# Altium PCB Pleiades_Frouf.PcbDoc (part 9 of 12) (continued)
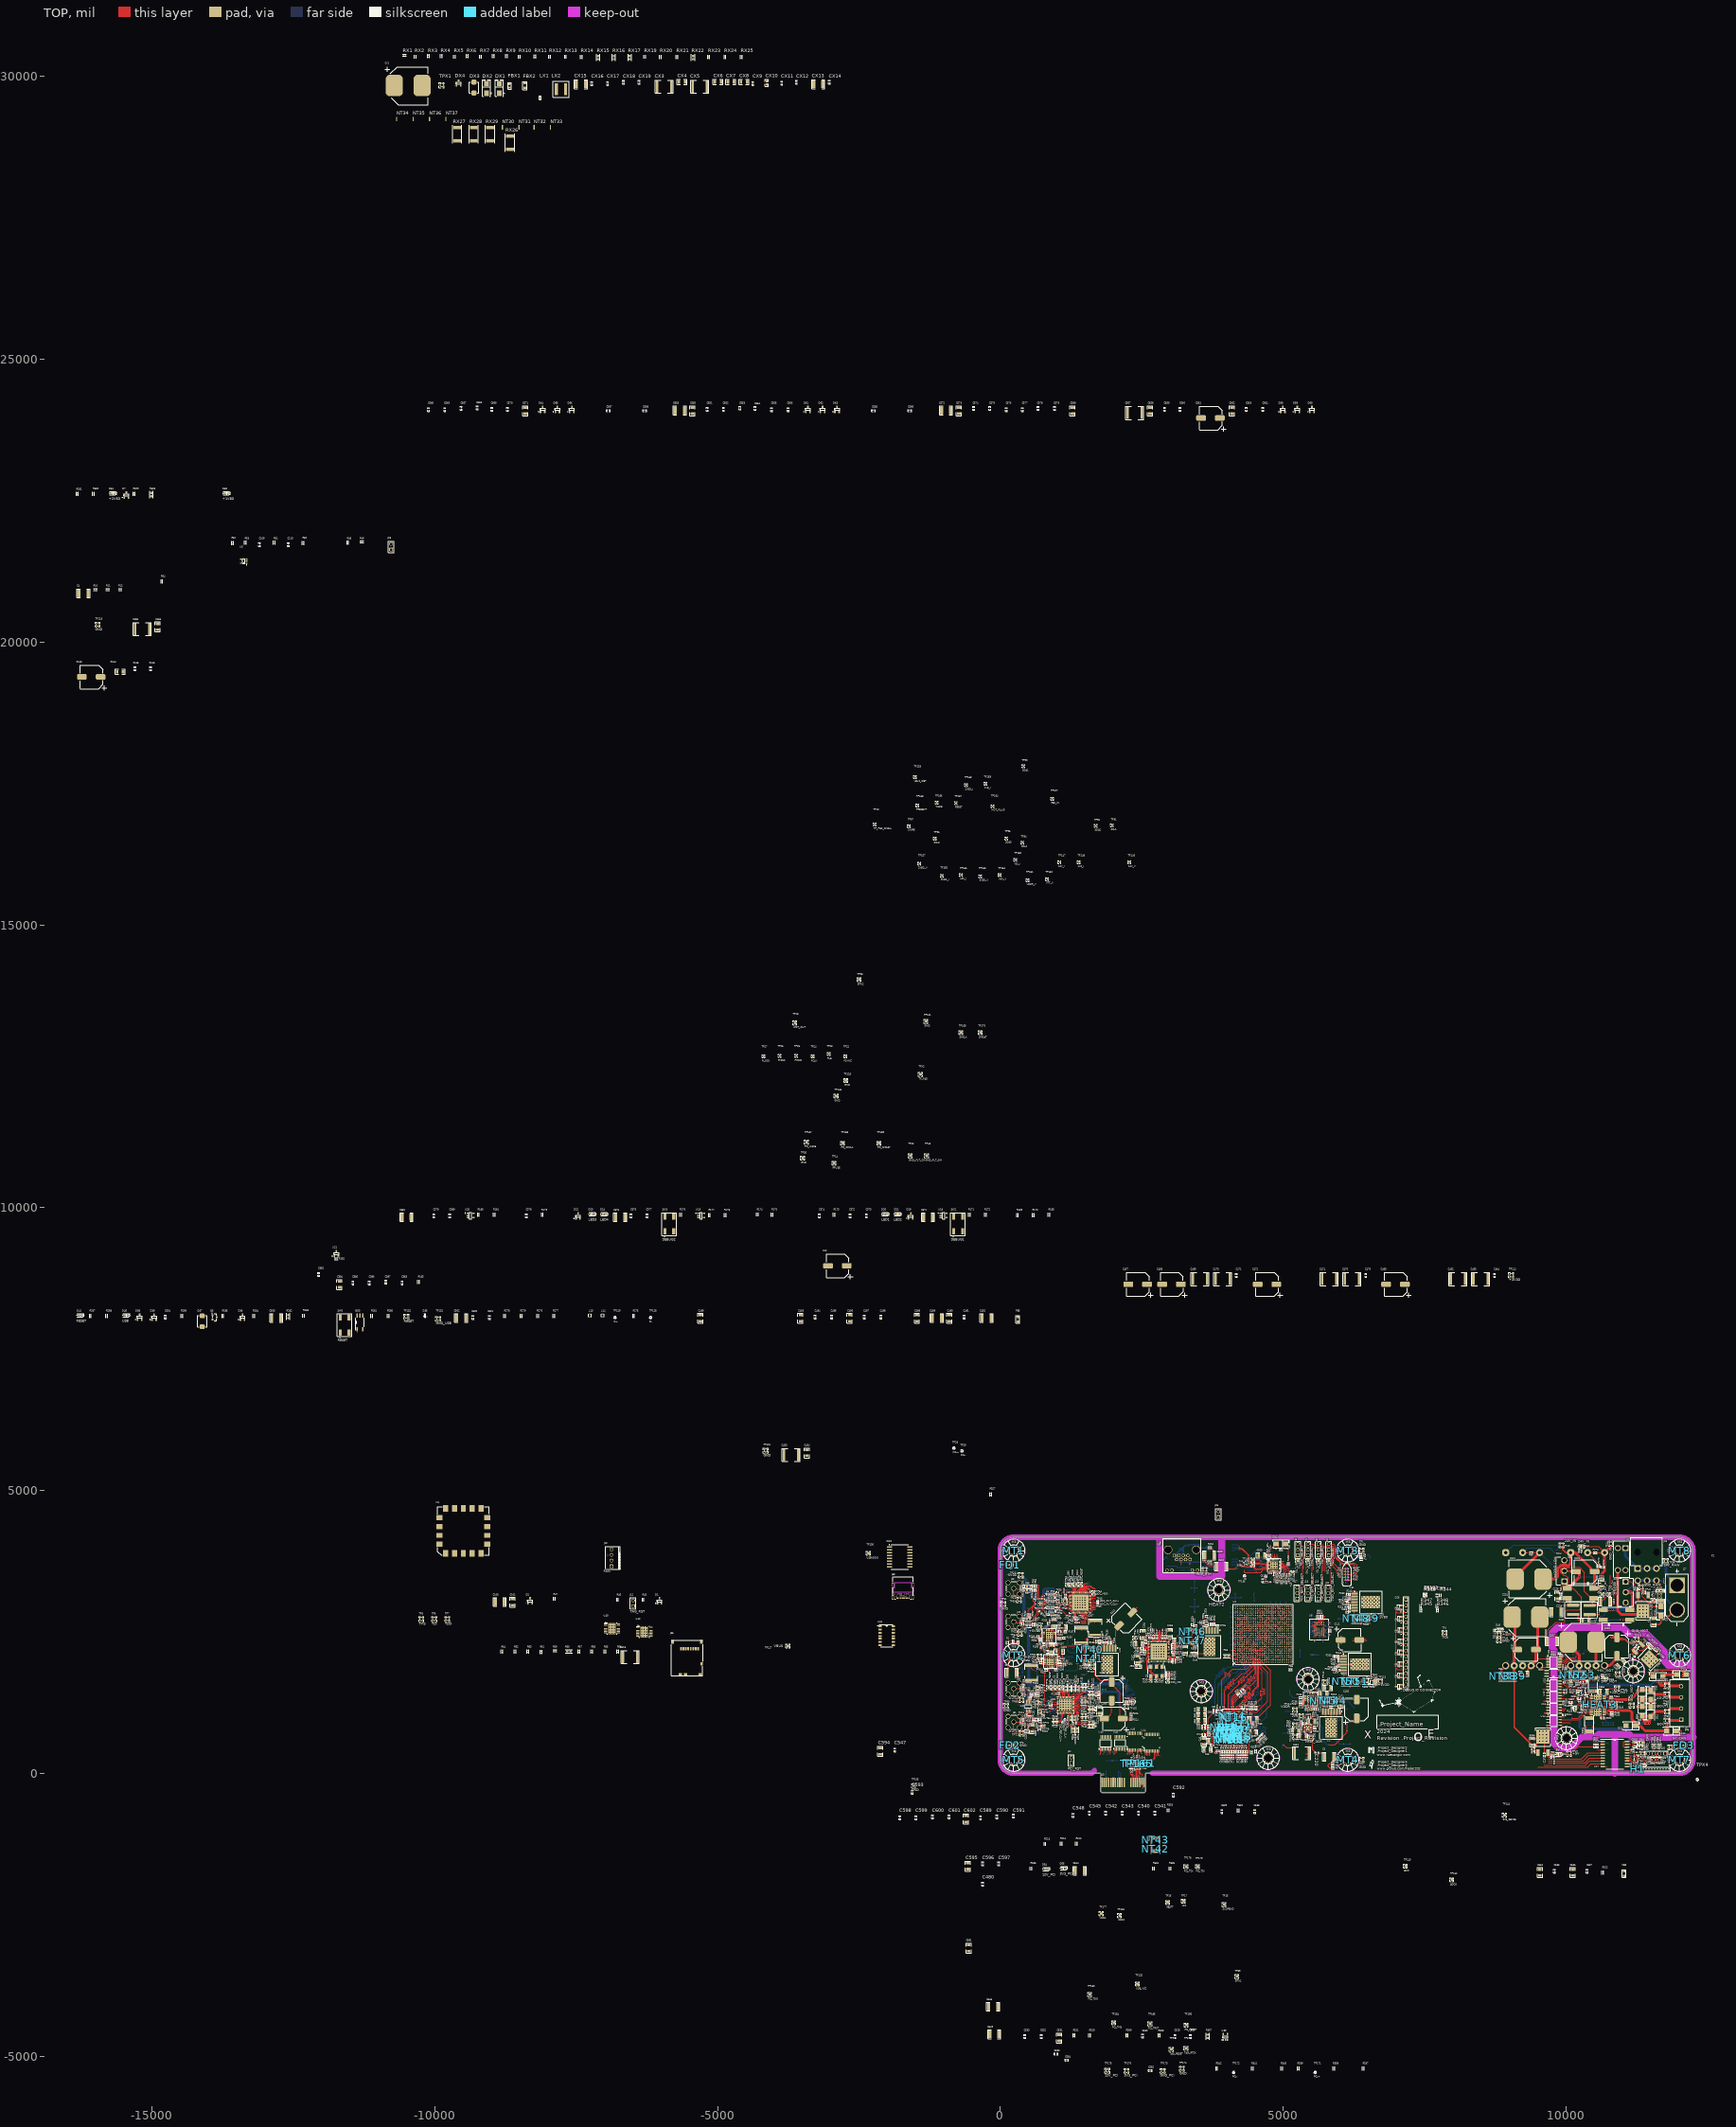
[diagram p0: TOP view]
## Nets (pads, with @x,y where several pads share a name; then routed paths per layer and width w, separated by ;. In a path a pad name is that pad's centre, name@x,y a point inside that pad or via, vN(x,y) a via of type N, cw(c..) or ccw(c..) an arc to the next point about the centre after c; other vN are vias at no path point) (continued)
  TOP w10: C159.2@2397.8,2278.49 2397.8,2268.49 2457.12,2209.17 C189.2@2488.64,2209.17 ; C162.2@2420.8,2066.37 2462.16,2066.37 v1(2487.5,2091.71) v1@2488.58,2090.63 ; v1(2457.12,2000.18) 2469.59,2000.18 C182.2@2487.09,2017.68 ; C184.2@2520.44,2511.04 2530.83,2500.64 v1(2591.68,2500.64) ; C187.2@2576,2347.67 v1(2613.59,2385.26) 2621.54,2393.21 2631.66,2393.21 R71.1@2636.04,2397.59 ; U4.36@2625,2240.31 U4.PAD@2712.6,2240.31 ; Y1.3@2662,1880.35 2662,1828 v1(2685.01,1805) ; R72.2@2674.22,2550.93 2710.6,2514.56 v1(2710.6,2474.57) 2710.6,2434.59 C168.2@2712.6,2432.59 ; C167.2@2771.65,2432.59 2771.65,2470.62 v1(2772.57,2471.54) ; C166.2@2869.6,2432.59 2870.08,2433.07 v1(2870.08,2467.76) ; C169.2@2929.08,2432.59 v1(2929.08,2467.76) 2989.32,2528 C163.2@2999.32,2528 ; C158.2@2980.49,1697.68 C156.2@2980.49,1780 3005.64,1780 3011.64,1786.01 v1(3012.19,1786) ; C170.2@3082.5,2141.89 3082.85,2142.24 v1(3082.85,2171.49) 3082.85,2200.74 C171.2@3083.2,2201.09 3082.85,2201.44 C192.2@3082.85,2240.62 ; C186.2@3090.7,1968.37 3090.9,1968.57 3090.9,2006.98 C190.2@3091.1,2007.18 3114.14,2007.18 3120,2001.32 ; v1(3120,1975.55) 3120,2001.32 ; R74.1@3157.5,2046.98 3120,2009.48 3120,2001.32 ; C183.2@3193,2347.67 3193,2343.13 3176.04,2326.17 3155.98,2326.17 3109.5,2279.69 C191.2@3082.5,2279.69 C192.2@3082.5,2240.97 C192.2@3082.85,2240.62 ; C181.2@3265,2233 3090.47,2233 C192.2@3082.85,2240.62 ; v1(4535.08,2530) 4535.62,2530 4549.88,2515.75 U2.L15@4551.18,2515.75 ; v1(5814.38,2601.15) 5829.23,2586.29 R76.2@5829.23,2538.63 ; v1(7087.17,2930) 7088.27,2928.9 D25.1@7088.27,2893 ; v1(7088.27,1730) 7090.17,1728.1 D31.1@7090.17,1693 7135.34,1693 7159.28,1669.06 J37.15@7174.17,1669.06 ; v1(7088.27,2135) 7090.17,2133.1 D29.1@7090.17,2098 7135.93,2098 7164.88,2069.06 J37.11@7174.17,2069.06 ; v1@7089.3,2329.93 v1(7089.64,2329.59) 7089.98,2329.24 D28.1@7089.98,2292.93 7095.98,2292.93 7104.98,2283.93 7104.98,2277.93 7113.86,2269.06 J37.9@7174.17,2269.06 ; v1(7089.3,2730) 7090.17,2729.13 D26.1@7090.17,2693 7096.17,2693 7120.11,2669.06 J37.5@7174.17,2669.06 ; D32.1@7089.8,1493 v1(7089.8,1530) ; D30.1@7089.98,1893 v1(7089.98,1929.82) v1@7090.17,1930 ; v1(7089.98,2530) 7090.17,2529.82 D27.1@7090.17,2493 7096.17,2493 7120.11,2469.06 J37.7@7174.17,2469.06 ; U6.5@9385.87,1901.1 U6.4@9535.87,1901.1 ; C235.2@9440,437.5 9485,482.5 9485,530.13 9520,565.13 v5(9535,565.13) ; 9470,2024.64 U33.2@9681.77,2024.64 ; ISO1.3@9660,1815 9632.5,1815 9604.48,1843.02 9593.95,1843.02 U6.4@9535.87,1901.1 ; U33.8@9681.77,1874.64 9593.44,1874.64 9566.98,1901.1 U6.4@9535.87,1901.1 ; C368.2@10512.73,505.13 C370.2@10557.23,505.13 10559.2,507.1 10572.71,507.1 10580.13,514.52 v1(10592.92,514.52) U17.2@10650.92,514.52 10650.92,557.02 U17.1@10643.42,564.52 ; v1(10592.92,564.52) U17.1@10643.42,564.52 ; U17.1@10650.92,564.52 U17.1@10643.42,564.52 ; U17.10@10651.42,114.52 10728.3,114.52 v1(10728.93,115.15) v1@10729.57,115.78 ; 10790,3500.73 10790,3285.38 10854.57,3220.82 v1(10854.57,3085) ; v1(10855,3040.04) v1@10854.57,3040.04 ; C219.2@10777.4,3040.04 v1@10854.57,3040.04 ; C219.2@10777.4,3040.04 10777.4,3010.88 10799.76,2988.52 v1(10854.57,2988.52) v1@10854.57,3040.04 ; C219.2@10777.4,3040.04 10777.4,3062.64 10799.76,3085 v1(10854.57,3085) ; v1@10854.57,3040.04 v1(10854.57,3085)
  TOP w12: C296.2@1592.65,1267.33 v1@1592.65,1310.33 ; C305.2@1695.43,1415.63 v1(1695.43,1458.13) ; TP1.1@6385.83,3937.01 6390.98,3931.85 R6.2@6390.98,3868.63 ; U7.3@9595,650.13 v5(9595,625.13) v5(9595,565.13) 9625,535.13 C237.2@9625,347.5 ; C236.2@9782.5,284.98 9887.36,284.98 9902,299.63 D5.2@9902,333.46 ; D5.2@9903.54,335 9962.72,335 v1(9963.71,334)
  TOP w20: J31.4@336.22,805.51 354.25,805.51 374.83,784.93 379.31,784.93 436.23,728.01 C426.2@452.41,728.01 ; C426.2@454.9,725.52 C427.2@491.48,725.52 550.39,725.52 C425.2@562.39,737.52 562.39,773.45 v1(565.9,776.97) v1(633.25,776.97) R122.2@700.6,776.97 ; v1(1109.94,2569.76) C398.2@1143.7,2569.76 ; v1(1369.79,2523.82) 1369.79,2553.88 1382.19,2566.28 C408.2@1434.6,2566.28 ; v1(1440.6,2524.85) 1440.6,2560.28 C408.2@1434.6,2566.28 ; v1(1513.35,2524.85) 1513.35,2553.88 1500.94,2566.28 C408.2@1434.6,2566.28 ; v1(1595.6,2660.69) 1595.6,2686.45 1608,2698.85 C407.2@1681.14,2698.85 ; C299.2@1597.99,1526.78 v1(1597.99,1562.69) 1599.97,1560.7 C422.2@1639.29,1560.7 ; v1(1681.14,2660.69) C407.2@1681.14,2698.85 ; C297.2@1687.83,1156.79 v1(1687.83,1192.87) ; v1(1695.43,1458.13) 1713.06,1458.13 1727.63,1443.57 C418.2@1737.6,1443.57 ; C421.2@1754.12,1059.22 1756.66,1059.22 1768.66,1047.22 1768.66,1005.2 1787.53,986.33 1833.51,986.33 1845.72,998.53 1917.12,998.53 v1(1928.31,1009.71) v1(1970.09,1051.5) v1(1970.09,1109.97) v1(1970.09,1157.5) C406.2@1970.09,1282.85 ; v1(1766.66,2660.69) 1766.66,2686.45 1754.25,2698.85 C407.2@1681.14,2698.85 ; U22.4@1887.83,2209.78 v1(1887.83,2289.68) 1887.83,2301.63 ; C412.2@2333.85,2843.85 v1(2422.09,2932.09)
  TOP w25: U27.4@5850.46,1092.08 v2(5850.46,924.48) v2(5880.46,954.48) v2(5910.46,924.48) ; R257.2@5981.33,1917.46 5986.06,1922.19 U32.4@6071.43,1922.19 v2(6239.03,1922.19) v2(6299.03,1922.19) v2(6359.03,1922.19) ; TP46.1@8820,2355 v1(8900,2355) ; C233.2@9313,1765 9322.5,1774.5 9322.5,1823.05 9385.87,1886.41 U6.5@9385.87,1901.1 ; C234.2@9405,608.57 9518.45,608.57 v5(9535,625.13) ; C232.2@9470,2187.86 C232.2@9498.05,2215.91 ; C231.2@9498.05,2717.18 C231.2@9540.87,2760 9610.41,2829.54 9734,2829.54 9749,2844.54 C228.1@9749,2850 ; 9593.44,1481.99 U15.4@9682.47,1481.99 ; 9610,1276.41 9612.01,1274.41 U12.4@9682.47,1274.41 ; 9612.45,1064 9612.54,1064.09 U16.4@9683.01,1064.09 ; v5(9655,745.13) 9666.2,745.13 9683.7,762.63 U14.4@9683.7,850 ; D5.2@9902,333.46 D5.2@9903.54,335
  TOP w30: v4(6234.58,2354) v4(6476.79,2354)
  TOP w50: U6.5@9385.87,1901.1 9470,1985.24 9470,2024.64 C232.2@9470,2187.86 ; C232.2@9498.05,2215.91 C231.2@9498.05,2717.18
  BOT w6: J30.5@336.22,1596.06 336.22,1703.65 v1(347.57,1715) 379.13,1715 398,1733.87 C393.2@398,1790 ; v1(347.57,1790) C393.2@398,1790 ; v1(347.57,1865) 379.13,1865 398,1846.13 C393.2@398,1790 ; v1(429.41,1063.56) C339.2@429.41,1089.08 ; C341.2@477.41,1205 491.48,1190.93 491.48,1187.88 496.85,1182.51 v1(496.85,1180.88) 495.71,1179.73 492.26,1179.73 C340.2@477.41,1164.88 478.16,1164.13 511.14,1164.13 v1(511.89,1163.38) ; C341.2@485.11,1198.38 v1(514.63,1198.38) C309.2@544.14,1198.38 ; C266.2@485.6,3125.05 495.6,3125.05 530.6,3090.05 531.75,3091.2 538.35,3091.2 C267.2@556.67,3109.51 557.61,3110.46 598.88,3110.46 C252.2@599.82,3111.4 C246.2@599.82,3065.26 613.02,3078.46 C270.2@641.24,3078.46 646.04,3078.46 646.04,3073.66 658.74,3060.96 C256.2@681.38,3060.96 C255.2@724.68,3060.96 ; v1(489.64,2912.05) 495.75,2905.94 508.02,2905.94 C261.2@513.79,2900.18 ; C259.2@579.49,2783.05 596.95,2800.5 596.95,2823.55 599.82,2826.42 v1(599.82,2828.05) 599.82,2829.67 595.52,2833.97 C244.2@595.52,2861.02 ; C247.2@592.29,2943.68 592.29,2943.51 607.98,2927.82 v1(607.98,2927.65) ; C310.2@605.51,1063.56 v1(605.51,1091.57) C308.2@605.51,1119.58 ; v1@612.63,2930.68 C262.2@637.02,2930.68 650.02,2943.68 C265.2@678.19,2943.68 ; v1(619.11,1227) 618.79,1227 601.53,1244.25 v1(601.21,1244.25) 601.21,1287.59 604.56,1290.95 607.61,1290.95 611.7,1286.86 C307.2@619.11,1286.86 ; C249.2@641.33,2980.13 641.73,2980.13 C265.2@678.19,2943.68 ; 713.1,2139.36 713.1,2166.29 732.27,2185.47 839.28,2185.47 v1(878.81,2225) ; R208.2@797.86,1927.84 825.89,1927.84 834.38,1919.34 R204.2@836.01,1919.34 836.01,1920.96 v6@845.25,1930.2 ; C250.2@827,3195 827,3185 792,3150 793.15,3148.85 793.15,3140.1 C251.2@812.24,3121.01 809.87,3118.64 v1(809.87,3099.74) 809.87,3080.83 C253.2@807.5,3078.46 807.5,3078.62 791.8,3094.32 791.8,3094.48 790.66,3093.33 781.16,3093.33 766.29,3078.46 C269.2@766.24,3078.46 742.18,3078.46 C255.2@724.68,3060.96 ; R200.2@913.27,1801.5 943.48,1801.5 v1(946.98,1805) ; R206.2@913.27,2033.33 913.27,2032.75 927.05,2018.97 v6(927.05,2018.39) ; C243.2@929,2830.17 911.54,2847.62 896.84,2847.62 895,2849.46 v1(880,2849.46) C260.2@852.5,2849.46 C268.2@852.5,2896.02 C245.2@812.24,2896.02 C254.2@812.24,2939.37 811.84,2938.98 770.15,2938.98 C263.2@767.99,2941.13 ; C318.2@960,1071.58 v1@960,1037.42 ; v1@988.63,1337.04 989.55,1337.95 1009.71,1337.95 v1(1010.62,1337.04) 1022.85,1337.04 ; v1(988.92,1338.86) 987.3,1338.86 979.82,1346.34 C315.2@920,1346.34 v1(888.31,1346.34) 856.63,1346.34 v1(847.33,1337.04) C312.2@847.33,1303.14 847.33,1264.52 854,1257.85 886.5,1257.85 859.28,1257.82 v1(826.8,1225.35) 794.33,1192.87 C311.2@794.33,1182.87 794.33,1172.87 v1(827.2,1140) 860.07,1107.13 C314.2@886.52,1107.13 886.52,1042.9 895.52,1033.91 C317.2@921.52,1033.91 956.49,1033.91 v1@960,1037.42 ; C335.2@1037.63,1396.06 1032.19,1390.62 1032.19,1377.06 1023.13,1368 1023.13,1337.33 1022.85,1337.04 ; C285.2@1048.4,2534.28 1048.4,2550.89 C285.2@1067.28,2569.76 ; C325.2@1050.39,1105.66 1051.87,1107.13 1051.87,1157.5 1053.35,1158.98 ; v3(1068.54,1164.88) 1065.93,1162.26 1056.63,1162.26 1053.35,1158.98 ; v1(1100.7,3376.83) 1124.05,3376.83 C287.2@1139.94,3392.72 1122.66,3410 v1(1103.56,3410) ; v3(1111.85,1294.8) 1112.18,1295.13 1112.18,1309.72 ; C337.2@1112.5,1022.31 v1(1112.5,984.6) ; C328.2@1112.5,1361.6 1112.18,1361.28 1112.18,1309.72 ; v1(1131.27,1043.79) 1131.27,1043.16 1125.22,1037.11 1125.22,1036.11 1113.59,1024.48 1115.76,1022.31 C336.2@1151.1,1022.31 ; v1(1161.27,910.63) 1161.27,911.67 1151.19,921.75 C330.2@1151.19,941.45 C332.2@1151.19,982.09 1116.63,982.09 1114.12,984.6 v1(1112.5,984.6) ; v3(1198.46,1121.57) 1210.07,1109.97 1220.46,1109.97 C327.2@1224.06,1106.38 ; C289.2@1198.62,3303.18 1197.86,3302.41 v1(1197.86,3280) v1(1197.86,3216.29) 1197.86,3192.76 C292.2@1197.1,3192 1198.1,3191 1198.1,3165.46 v1(1199.1,3164.46) ; C329.2@1224.06,1311.34 1209.95,1297.23 1200.89,1297.23 v3(1198.46,1294.8) 1198.46,1296.48 1184.69,1310.26 1184.69,1311.34 1183.06,1309.72 1112.18,1309.72 ; C290.2@1232.1,2877.5 1233.06,2878.46 1273.38,2878.46 C293.2@1274.34,2879.42 ; v1(1263.43,870) C326.2@1303.73,870 ; C388.2@1291.19,2208.37 1310.06,2227.24 C388.2@1310.06,2284.9 ; C388.2@1291.19,2357.26 1310.06,2338.39 C388.2@1310.06,2284.9 ; C388.2@1304.96,2279.8 C388.2@1310.06,2284.9 ; C274.2@1320.6,3183.74 C274.2@1324.57,3179.77 ; C283.2@1345,2886.22 C277.2@1385,2886.22 1385.38,2885.84 1454.46,2885.84 C276.2@1468.35,2871.96 1476.37,2871.96 1495.18,2890.77 1495.18,2927.53 v3(1497.8,2930.15) ; v1(1359.78,3392.72) 1326.32,3392.72 C273.2@1323.6,3390 1323.6,3465.25 1342.47,3484.12 1358.91,3484.12 v1(1359.78,3485) ; v3(1454.49,3103.38) 1457.11,3105.99 1457.11,3118.64 C279.2@1491.7,3153.24 1492.08,3153.62 1533.66,3153.62 C281.2@1534.04,3154 1654.84,3154 C275.2@1665,3143.84 1655,3143.84 1628.07,3116.91 1623.95,3116.91 v1(1622.8,3115.76) ; v3(1497.8,3016.76) 1501.5,3016.76 1511.34,3006.92 C278.2@1552.36,3006.92 ; v3(1497.8,3060.07) 1511.57,3046.29 C282.2@1552.36,3046.29 1551.95,3045.87 1551.95,3013.22 C278.2@1551.53,3012.8 ; C280.2@1622.5,2799.33 C284.2@1622.5,2840.19 v1(1622.5,2869.12) ; U26.17@2097.02,1480.86 2165.92,1480.86 v8(2191.52,1506.45) ; U26.18@2097.02,1506.45 v8(2152.14,1506.45) ; U26.18@2097.02,1509.35 U26.18@2098.48,1507.9 ; U26.19@2097.02,1532.04 U26.21@2165.92,1532.04 ; U26.2@2165.92,1600.94 U26.21@2165.92,1532.04 ; U25.1@2179.48,1286.86 2333.71,1286.86 v1(2367.53,1320.68) C411.2@2367.53,1352.83 ; U26.12@2217.11,1411.96 U26.21@2217.11,1480.86 ; U26.4@2217.11,1600.94 U26.21@2217.11,1532.04 ; U26.11@2242.7,1411.96 U26.21@2242.7,1455.27 ; R218.2@2260.2,1655.89 2257.73,1653.42 2257.73,1641.14 2242.7,1626.11 2242.7,1600.95 U26.21@2242.7,1557.63 ; U26.10@2286,1455.27 U26.21@2242.7,1455.27 ; U26.8@2286,1506.45 v8(2230.89,1506.45) v8(2191.52,1506.45) ; U26.7@2286,1532.04 U26.21@2217.11,1532.04 ; U26.6@2286,1557.63 U26.21@2242.7,1557.63 ; R217.2@2337.44,1453.17 2336.54,1454.07 2336.54,1468.65 2324.33,1480.86 U26.9@2286,1480.86 U26.21@2217.11,1480.86 ; v1(3369.06,3279.1) C138.2@3439.77,3279.1 ; v1(3435,3392.02) C138.2@3435,3286.88 3435,3283.87 C138.2@3439.77,3279.1 ; v1(3442.35,3175.57) 3442.35,3272.04 C138.2@3444.59,3274.28 ; v1(3505.76,3279.1) 3449.41,3279.1 C138.2@3444.59,3274.28 ; C78.2@3595,687.55 v1(3595,723.45) 3595,764.22 C77.2@3601.93,771.15 ; C12.2@3687.45,623.62 C53.2@3687.45,563.74 3694.25,556.93 C5.2@3694.25,511.08 ; C5.2@3694.25,510.94 C5.2@3694.25,511.08 ; v1(3709.95,526.92) 3709.95,526.78 C5.2@3694.25,511.08 ; v1(3838.33,1024.79) 3839.48,1023.64 3839.48,1011.01 C47.2@3857.96,992.53 ; C66.2@3855.24,626.85 3855.36,626.73 3898.84,626.73 C65.2@3898.96,626.61 3903.01,630.67 3936.8,630.67 v1(3937.95,631.82) ; C6.2@3879.19,1062.99 C13.2@3920.04,1062.99 3924.53,1058.51 3949.09,1058.51 v1(3950.24,1057.36) ; C57.2@3924.53,758.45 3954.9,758.45 3961.4,764.95 v1(3963.03,764.95) 3930.24,797.74 C23.2@3930.24,840.4 ; v1(3959.47,685.5) C50.2@3983.33,685.54 ; C85.2@3990.24,279.63 C79.2@4033.2,279.63 ; v1(4000,952.45) 4000.06,952.39 v1(4000.12,920.46) v1(4000.12,920.46) C30.2@4017.62,920.46 ; v1(4029.42,858.47) 4040.99,858.47 4050.35,849.11 4050.35,826.63 4038.51,814.8 4038.51,797.26 C34.2@4037.05,795.8 ; C128.2@4061.6,2765.6 4189.43,2765.6 4195.31,2759.72 C126.2@4203.46,2759.72 4219.75,2743.43 4219.75,2731.15 v1(4220.9,2730) 4220.9,2728.38 v1@4217.74,2725.22 ; C148.2@4061.58,2949.68 4075.08,2936.18 4128.74,2936.18 4134.92,2930 v1(4180,2930) ; C113.2@4062.84,2583 4070.84,2575 v1(4215.2,2575) 4216.35,2576.15 4221.1,2576.15 C135.2@4237.17,2592.22 ; C114.2@4065,2280.16 4065.63,2279.53 4197.05,2279.53 v1(4215,2261.57) ; C35.2@4090,884.6 C35.2@4090,884.84 4090.16,884.99 v1(4109.8,884.99) C62.2@4129.44,884.99 ; C43.2@4105,842.02 4105,860.55 v1(4113.9,869.46) C62.2@4129.44,884.99 ; C62.2@4129.6,885.15 C62.2@4129.44,884.99 ; R13.1@4154.46,397.75 4154.46,257.13 v1(4155.79,255.79) ; v1(4175,3640.95) 4184.72,3650.66 C506.2@4184.72,3672.09 ; v1(4196.37,981.64) v1(4196.37,1014.57) ; C22.2@4237.51,1047.67 4252.83,1062.99 v1(4279.31,1062.99) 4280.94,1062.99 4286.92,1057.01 4302.13,1057.01 C10.2@4302.9,1056.24 ; C51.2@4237.51,1090.45 4262.92,1090.45 4268.47,1096.01 v1(4270.09,1096.01) 4270.09,1097.63 4264.06,1103.67 C63.2@4264.06,1162.31 C20.2@4264.06,1208.42 ; C37.2@4241.4,599.51 4241.65,599.75 4262.54,599.75 v1(4262.79,600) 4279.79,617.01 C49.2@4301.62,617.01 ; v1(4255,916.75) 4256.62,916.75 4265.87,907.5 C28.2@4316.11,907.5 C48.2@4360.98,907.5 ; C129.2@4318.37,2476.38 4330.42,2488.43 ; C129.2@4318.37,2477.35 4329.45,2488.43 4330.42,2488.43 ; C510.2@4321.8,3629.22 C513.2@4369.52,3629.22 C520.2@4486.93,3629.16 4504.37,3646.66 v1(4544.63,3646.66) 4583.25,3646.66 v1(4605.12,3668.53) 4606.74,3668.53 4609.01,3666.26 4640.02,3666.26 4640.33,3666.56 4641.05,3666.56 4653.28,3678.8 4659.65,3678.8 v1(4660.8,3679.94) 4661.95,3678.8 4667.55,3678.8 4679.47,3666.87 C522.2@4680.55,3666.87 ; v1(4332.91,2530) 4332.91,2490.92 4330.42,2488.43 ; v1(4336.3,2770) 4336.3,2784.21 C131.2@4347.63,2795.54 ; v1(4374.44,2693.33) 4376.06,2693.33 4383.85,2701.13 C130.2@4404.06,2701.13 ; C139.2@4394.96,2494.57 4388.82,2488.43 4330.42,2488.43 ; C116.2@4416.98,2382.4 4425.14,2382.4 4430.53,2377.01 v1(4450,2377.01) ; C124.2@4444.79,2777.45 4444.79,2800.48 4452.69,2808.38 v1(4452.69,2810) ; C98.2@4471.28,631.62 C91.2@4471.28,673.51 ; v1(4486.86,760.38) 4488.48,760.38 4496.67,768.57 C17.2@4522.23,768.57 ; C524.2@4557.19,3875.08 4557.19,3839.75 4583.25,3813.7 v1(4624.33,3813.7) 4624.33,3812.08 4627.3,3809.1 C525.2@4627.3,3779.97 C526.2@4665.4,3779.97 4723.8,3779.97 v1(4734.69,3769.08) ; C119.2@4628.54,2359.09 4646.65,2340.99 4649.45,2340.99 v1(4650.6,2339.84) ; C140.2@4652.36,2264.6 4674.53,2242.43 4707.57,2242.43 v1(4725,2225) v1@4726.15,2226.15 ; C76.2@4653.6,727.95 4654.39,728.73 v1(4675.3,728.73) 4696.22,728.73 C96.2@4697,729.52 ; C117.2@4655.52,2916.17 4660.77,2910.91 4668.06,2910.91 v1(4688.97,2890) ; C108.2@4672.5,2588.08 4672.05,2587.63 4672.05,2555.12 v1(4690,2537.17) ; C141.2@4726.74,2101.63 4734.41,2101.63 4739.33,2106.55 v1(4765,2106.55) 4746.18,2125.37 C142.2@4746.18,2144.9 ; v1(4765,2380) 4766.15,2381.15 4791.33,2381.15 C105.2@4796.35,2386.16 ; C527.2@4769.47,3736.87 4785.52,3736.87 U38.34@4801.89,3720.5 ; C123.2@4772.22,3040 4772.22,3030 4825.22,2977 C136.2@4825.22,2900.17 4830.98,2894.41 4843.97,2894.41 4848.38,2890 v1(4850,2890) ; C523.2@4778.11,3680.35 4779.1,3679.36 4800.9,3679.36 U38.37@4801.89,3678.37 ; v1(4795.66,3366.48) 4796.35,3367.17 R304.2@4796.35,3395.89 ; v1(4805,2340) 4805.12,2340.12 4842.73,2340.12 C107.2@4842.85,2340.24 ; v1(4821.88,2024.06) 4837.76,2008.17 4888.73,2008.17 C115.2@4895.8,2001.1 ; C121.2@4862.37,2754.34 4862.37,2716.37 4883.74,2695 v1(4885,2695) ; v1(4930,2183.82) 4931.15,2184.97 4942.28,2184.97 4955.05,2197.74 C149.2@4956.38,2197.74 ; v1(4930,2377.01) 4930.84,2377.01 4964.12,2343.73 C104.2@4984.05,2343.73 ; C134.2@4957.55,3040 4957.55,2993.24 4981.83,2968.96 C118.2@4981.83,2912.36 4982.23,2912.36 5004.6,2890 v1(5005,2890) ; C450.2@4988.46,453.92 4988.46,487.55 v1(5005,504.09) ; C518.2@5010.55,3646.72 C519.2@5057.23,3646.72 C517.2@5103.54,3646.72 ; C437.2@5030.08,840.57 5039.34,849.83 5211.1,849.83 TP110.1@5212.11,850.84 ; v1(5045,2218.74) 5046.62,2218.74 5055.67,2227.78 C125.2@5089.99,2227.78 ; C452.2@5120,1482.56 5120,1390.55 5168.88,1341.68 v1(5264.3,1341.68) ; C440.2@5290.07,934.18 5305.5,918.76 5360.08,918.76 v1(5361.23,917.61) 5362.38,916.46 5370.06,916.46 C431.2@5397.27,889.25 ; 5303.46,2172.99 5302.28,2171.81 C112.2@5302.28,2097.23 v1(5302.28,2019.39) v1@5306.04,2015.63 ; v1(5370.06,651.92) C447.2@5405.38,651.92 5397.38,659.92 C448.2@5397.38,716.92 ; C431.2@5397.27,888.51 5413.3,904.54 C443.2@5453.41,904.54 ; C441.2@5410.57,822.3 5416.34,828.07 5424.41,828.07 5431.29,834.95 v3(5435,834.95) 5435,853.79 5437.23,856.03 5437.23,886.67 5437.7,887.15 5437.7,888.84 C443.2@5453.41,904.54 ; C453.2@5431.01,1377.98 5431.01,1376.35 5450.27,1357.09 v6(5450.27,1355.46) ; C443.2@5454.58,904.54 C443.2@5453.41,904.54 ; C429.2@5462.38,702.3 5447.76,716.92 v1(5434.01,716.92) C448.2@5397.38,716.92 ; C430.2@5462.38,743.18 5447.48,758.08 5437.06,758.08 v3(5435,760.15) 5434.01,759.16 5398.36,759.16 C449.2@5397.38,758.18 C448.2@5397.38,716.92 ; v1(5465.91,2611.89) 5467.06,2610.74 5487.22,2610.74 C203.2@5489.8,2608.16 ; v1(5489.8,2439.2) C202.2@5489.8,2459.49 C207.2@5526.41,2459.49 5526.41,2460.58 5541.68,2475.85 v1(5541.68,2477.23) ; C204.2@5489.8,2571.63 C210.2@5526.41,2571.63 ; C204.2@5489.8,2574.2 C203.2@5489.8,2608.16 ; C201.2@5504.23,2808.98 5517.73,2795.48 5545.81,2795.48 v1(5550.65,2790.64) 5571.96,2769.33 C216.2@5571.96,2720.48 v1(5592.48,2720.48) C213.2@5613.01,2720.48 ; C211.2@5526.41,2608.16 C211.2@5525.32,2608.16 ; v6(5529.01,1276.72) 5533.34,1276.72 5540.47,1283.85 R230.2@5560.99,1283.85 ; v6(5529.01,1355.46) 5548.01,1336.46 C456.2@5567.64,1336.46 ; v1(5577.93,2577.52) 5576.79,2576.37 5531.14,2576.37 C210.2@5526.41,2571.63 ; C206.2@5687,2354 5688.25,2355.26 v1(5688.25,2375.82) 5688.25,2396.39 5688.34,2396.39 v1(5706.65,2414.61) v1(5706.65,2414.61) 5706.84,2414.8 5739.11,2414.8 v1(5739.3,2415) 5740.45,2416.15 5740.45,2434.65 C218.2@5745,2439.2 v1(5765,2439.2) C215.2@5785,2439.2 ; C208.2@5722.5,2693.33 5722.6,2693.43 5722.6,2739.27 C205.2@5722.7,2739.37 ; v1(5745,2615.62) C217.2@5745,2593.13 C214.2@5785,2593.13 5804.74,2593.13 5812.75,2601.15 v1(5814.38,2601.15) 5814.38,2601.76 5845.62,2633 C212.2@5855,2633 ; 5748.06,964.68 5758.26,954.48 v2(5760.46,954.48) ; C444.2@5765.96,1410.87 5814,1410.87 5816.84,1413.7 v1(5818.46,1413.7) ; 5808.12,1079.89 5827.12,1079.89 ; v1(5861.42,1208.1) 5862.57,1206.95 5867.4,1206.95 R225.2@5901.57,1172.78 ; v2(5940.46,954.48) 5956.39,938.55 5965.81,938.55 R226.2@5970.96,933.4 ; C265.2@678.19,2943.68 C265.2@678.6,2943.68 C264.2@732.56,2943.68 735.11,2941.13 C263.2@767.99,2941.13 ; C255.2@724.68,3060.96 748.56,3037.08 760.47,3037.08 C272.2@766.24,3031.31 765.62,3030.7 765.62,2980.75 C271.2@765,2980.13 767.77,2977.36 767.77,2941.35 C263.2@767.99,2941.13 ; v1@960,1037.42 963.51,1033.91 C316.2@999.89,1033.91 999.89,998.59 v1(1005.18,993.3) 1010.47,988.01 C334.2@1039.13,988.01 1055.65,971.5 1056.07,971.5 C331.2@1077.41,950.16 1091.1,936.47 1096.34,936.47 v1(1097.49,935.32) 1108.99,935.32 1112.5,938.84 v1(1112.5,984.6) ; 1022.85,1337.04 1035.23,1337.04 1049.44,1322.84 1049.44,1311.16 C323.2@1050.88,1309.72 ; C323.2@1050.88,1309.72 1112.18,1309.72 ; C323.2@1050.88,1309.72 C323.2@1052.5,1308.1 1052.92,1307.68 1052.92,1257.82 C324.2@1053.35,1257.4 1028.87,1232.92 983.68,1232.92 981.83,1234.78 974.56,1234.78 C319.2@960,1220.22 C320.2@960,1182.87 963.14,1179.73 987.24,1179.73 v1(987.81,1180.31) 988.39,1180.88 1045.48,1180.88 1048.99,1177.37 1048.99,1163.33 1053.35,1158.98 ; U26.21@2165.92,1532.04 v8(2191.52,1506.45) ; v8(2191.52,1506.45) U26.21@2217.11,1480.86 ; v8(2191.52,1506.45) U26.21@2217.11,1532.04 ; U26.21@2217.11,1480.86 U26.21@2242.7,1455.27 ; U26.21@2217.11,1532.04 v8(2230.89,1545.82) U26.21@2242.7,1557.63 ; C138.2@3439.77,3279.1 C138.2@3444.59,3274.28 ; C203.2@5489.8,2608.16 C211.2@5525.32,2608.16 ; C211.2@5525.32,2608.16 5512.48,2595.31 5509.96,2595.31 v1(5508.81,2594.16) 5509.96,2593.01 5509.96,2588.08 C210.2@5526.41,2571.63